# Allegro board visualscope011.brd
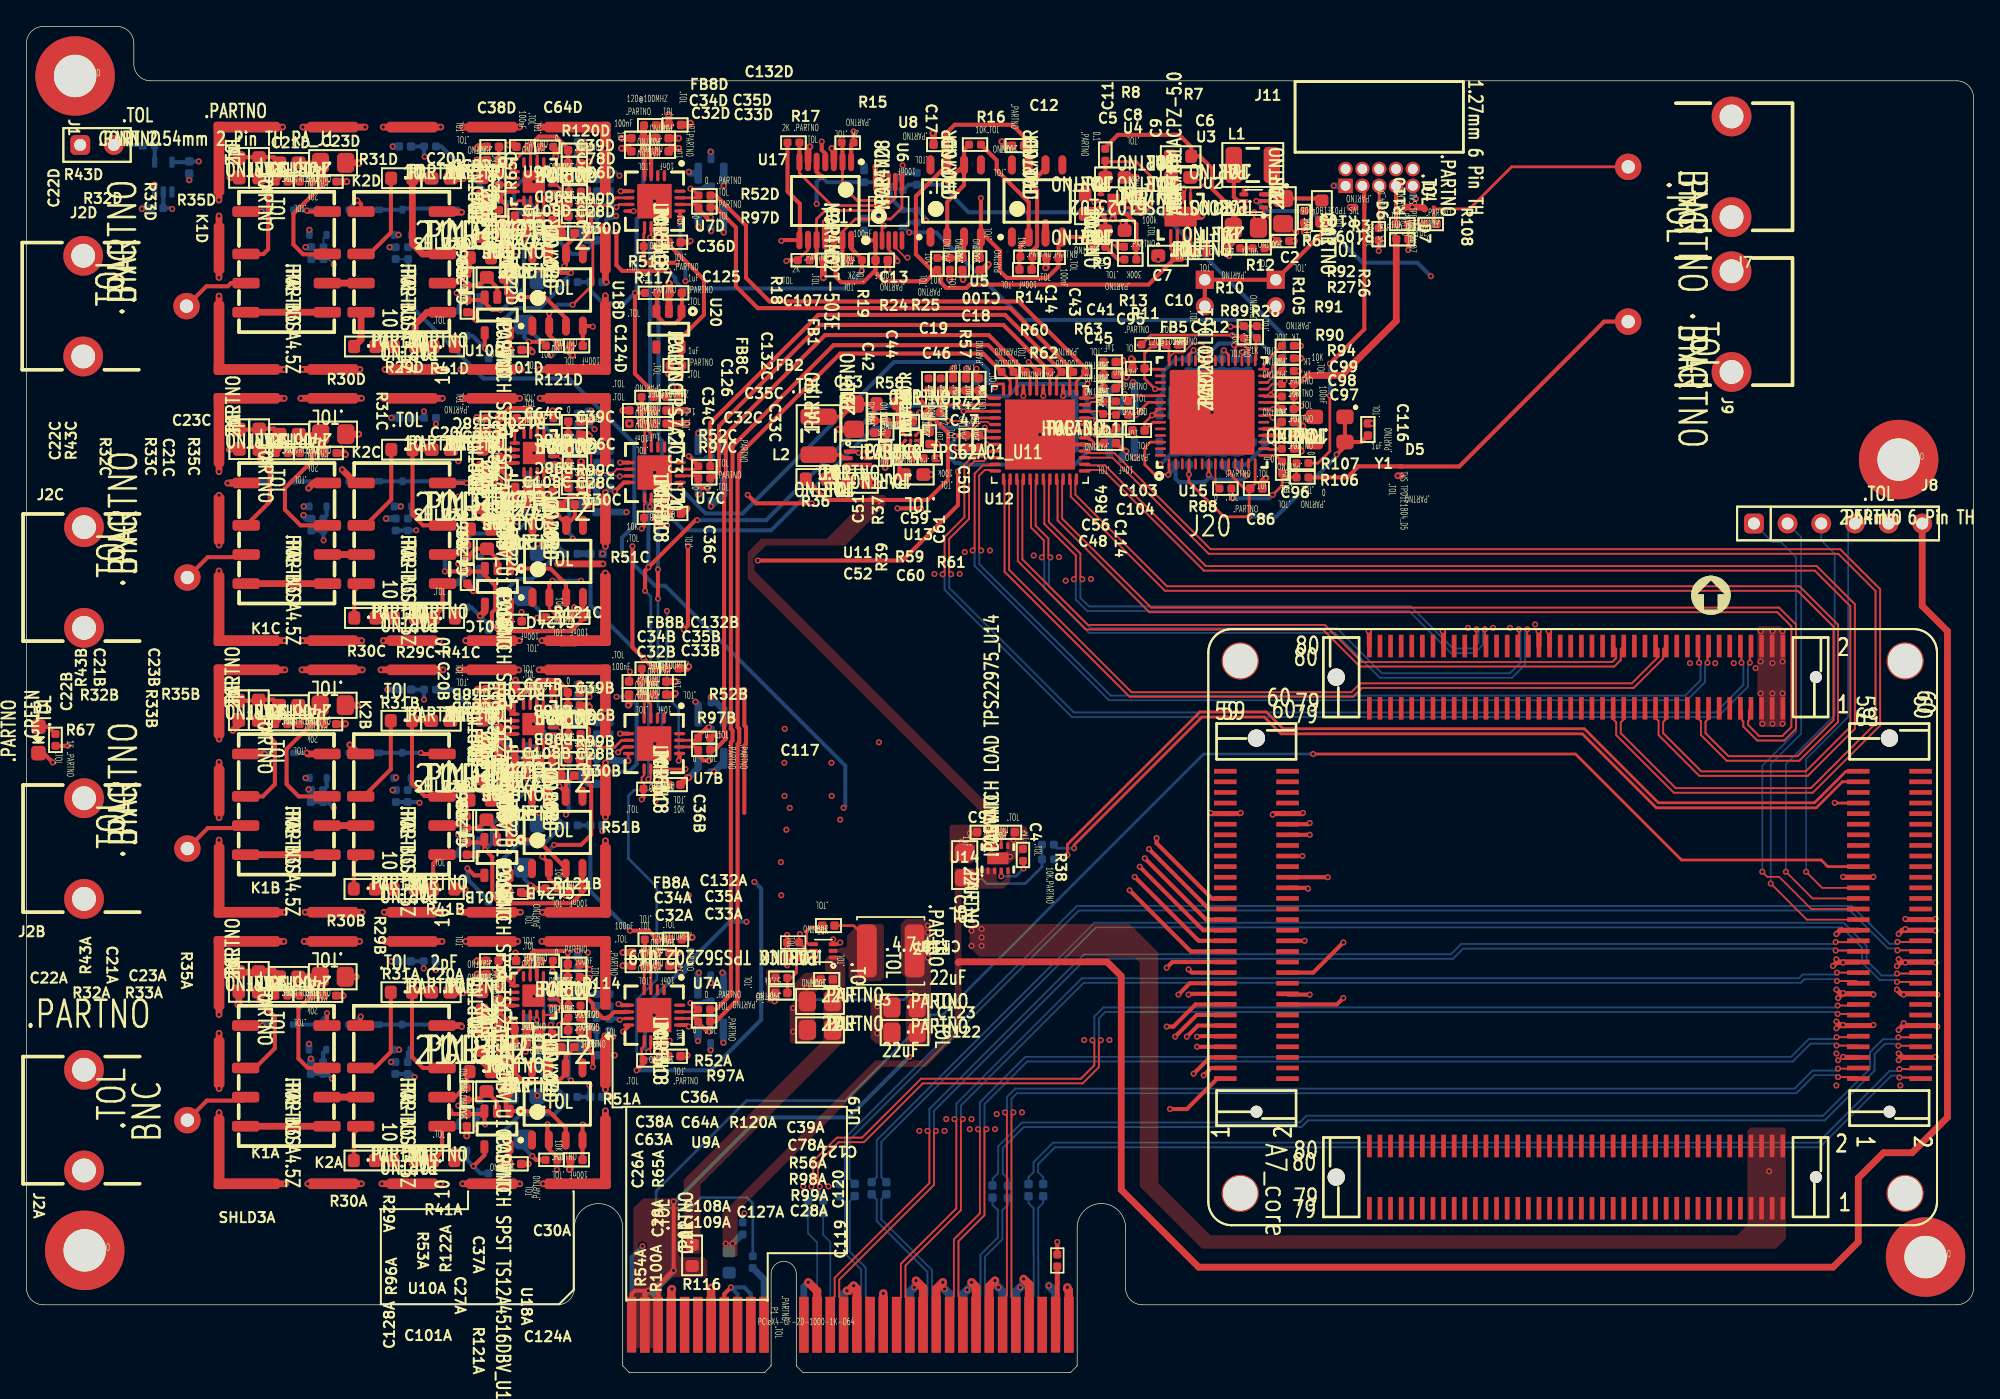
[diagram p0: board, top side]
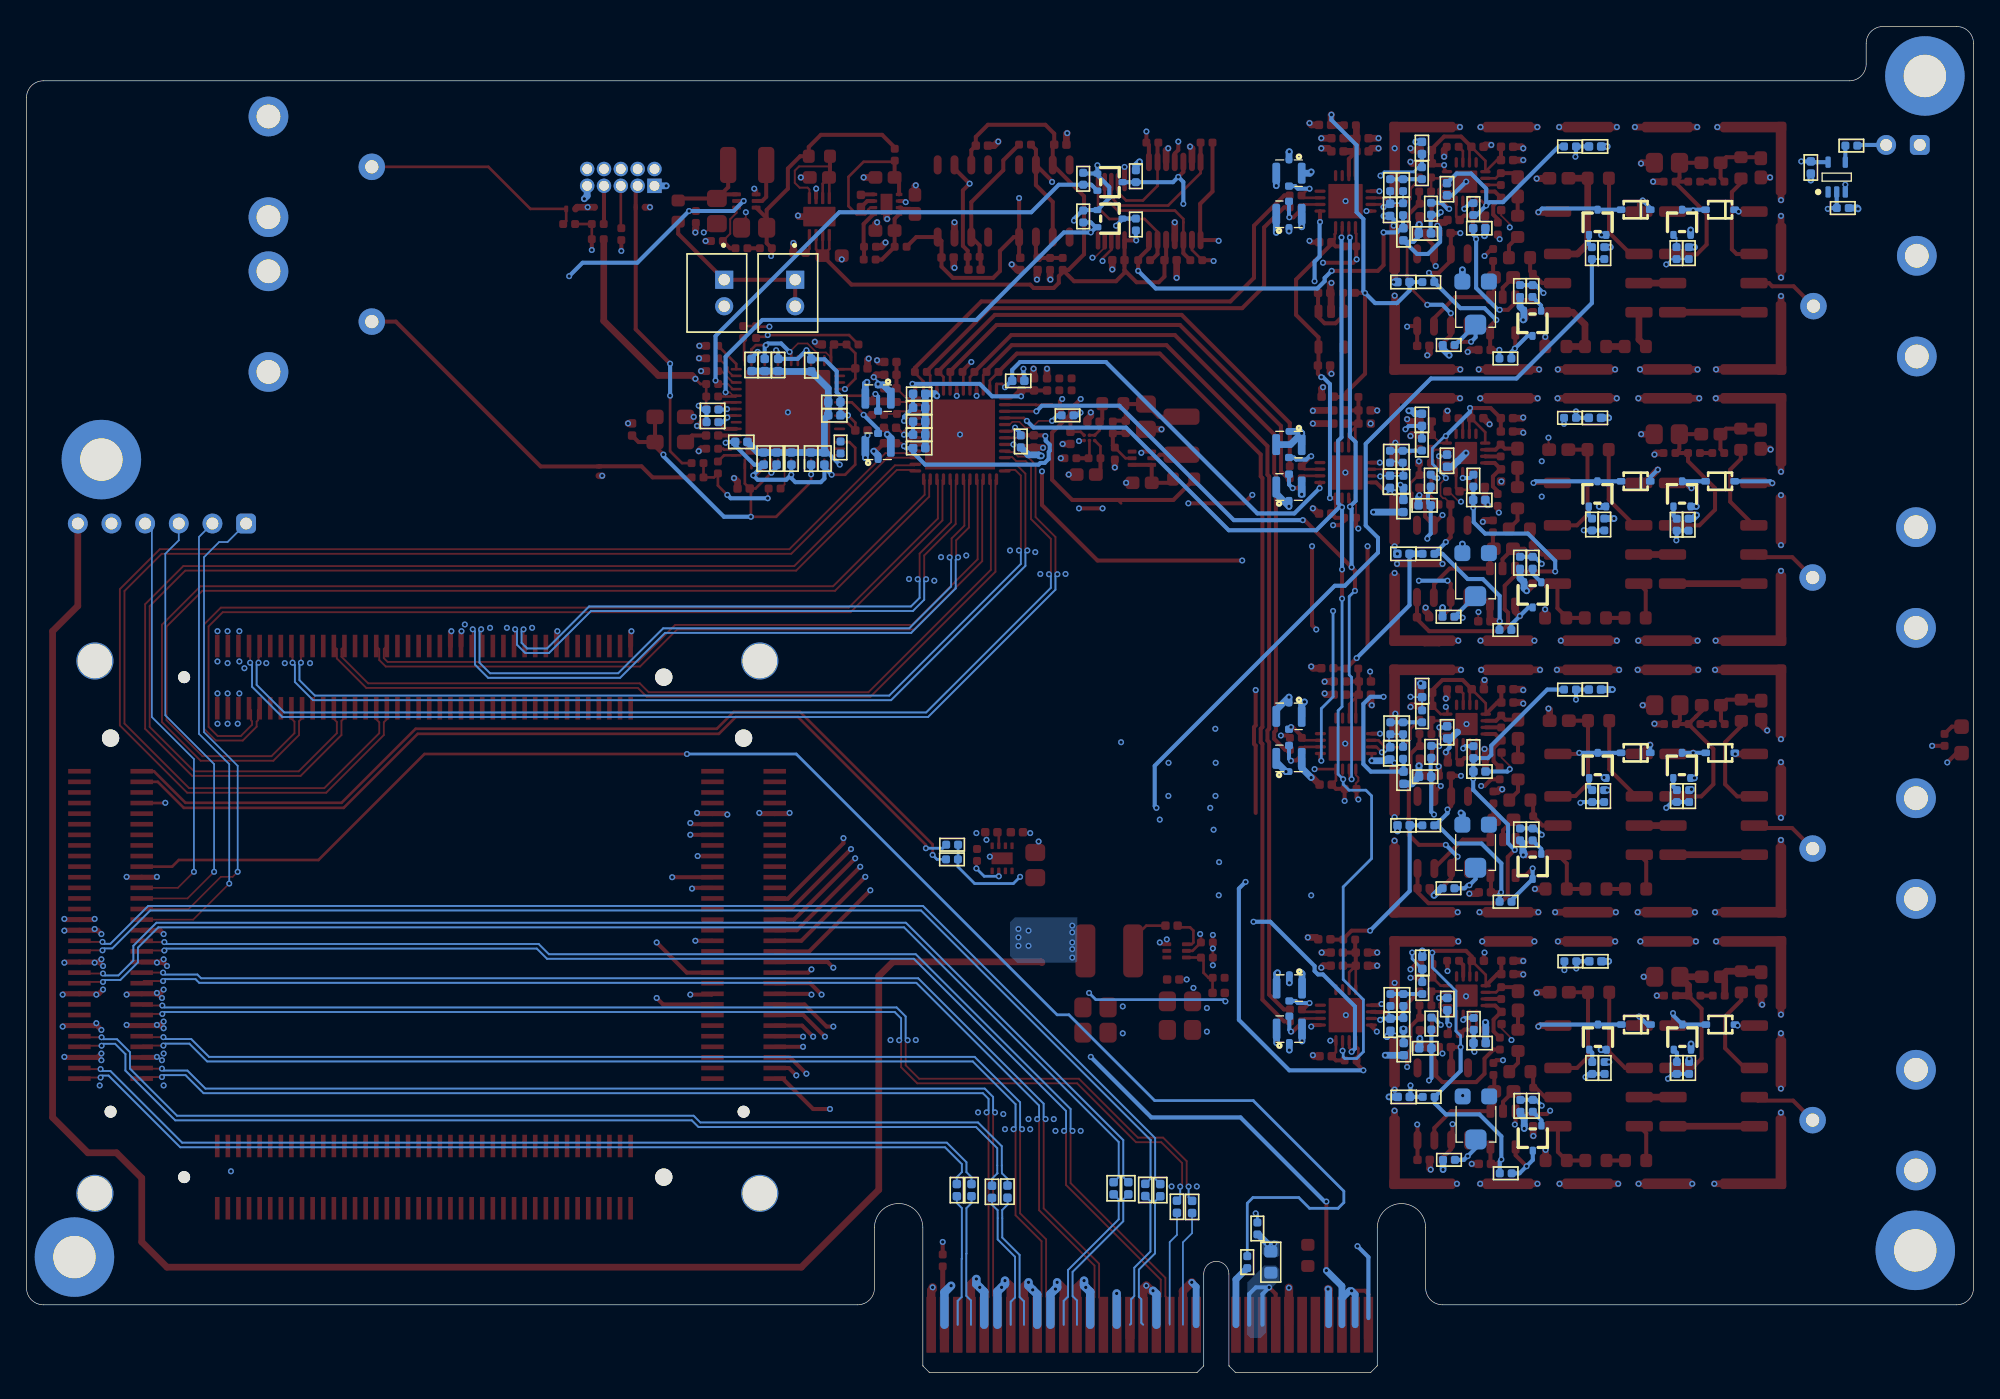
[diagram p1: board, bottom side, seen from below]

Outline 146.95 x 101.6 mm; copper layers: TOP, GND2, PWR3, PWR4, GND5, BOTTOM. Coordinates in mm from the lower left corner of the outline.
Outline path: 0,100.33 arc(0.37,101.23) 1.27,101.6 6.83,101.6 arc(7.73,101.23) 8.1,100.33 8.1,98.77 arc(8.47,97.87) 9.37,97.5 145.68,97.5 arc(146.58,97.13) 146.95,96.23 146.95,6.38 arc(146.58,5.48) 145.68,5.11 84.22,5.11 arc(83.32,5.48) 82.95,6.38 82.95,10.93 arc(81.14,12.75) 79.3,10.96 79.3,0.55 79.29,0.5 79.28,0.48 78.84,0.04 78.79,0.01 78.77,0 58.65,0 58.6,0.01 58.58,0.02 58.14,0.46 58.11,0.51 58.1,0.53 58.1,7.45 arc(57.15,8.4) 56.2,7.45 56.2,0.55 56.19,0.5 56.18,0.48 55.74,0.04 55.69,0.01 55.67,0 45.55,0 45.5,0.01 45.48,0.02 45.04,0.46 45.01,0.51 45,0.53 45,10.93 arc(43.17,12.75) 41.35,10.93 41.35,6.38 arc(40.98,5.48) 40.08,5.11 1.27,5.11 arc(0.37,5.48) 0,6.38 0,100.33

## Design rules (mm)
constraint set DEFAULT: min track width 0.127
net group DIFFPAIR0: nets MGT_CLK1_N MGT_CLK1_P
net group DIFFPAIR5: nets MGT_TX0_N MGT_TX0_P
net group DIFFPAIR6: nets MGT_TX1_N MGT_TX1_P
net group DIFFPAIR7: nets MGT_TX2_N MGT_TX2_P
net group DIFFPAIR8: nets MGT_TX3_N MGT_TX3_P
net group DIFFPAIR9: nets D1A_N D1A_P
net group DIFFPAIR10: nets D1B_N D1B_P
net group DIFFPAIR11: nets D2A_N D2A_P
net group DIFFPAIR12: nets D2B_N D2B_P
net group DIFFPAIR13: nets D3A_N D3A_P
net group DIFFPAIR14: nets D3B_N D3B_P
net group DIFFPAIR15: nets D4A_N D4A_P
net group DIFFPAIR16: nets D4B_N D4B_P
net group DIFFPAIR33: nets PER_N0 PER_P0
net group DIFFPAIR34: nets PER_N1 PER_P1
net group DIFFPAIR35: nets PER_N2 PER_P2
net group DIFFPAIR36: nets PER_N3 PER_P3
net group DIFFPAIR37: nets PET_N0 PET_P0
net group DIFFPAIR38: nets PET_N1 PET_P1
net group DIFFPAIR39: nets PET_N2 PET_P2
net group DIFFPAIR40: nets PET_N3 PET_P3
net group DIFFPAIR41: nets LCLK_N LCLK_P
net group DIFFPAIR42: nets FCLK_N FCLK_P

## Placement (name value [footprint] x y rotation side)
C1  100nF  [GEN_C_0402]  12.28 90.96 270 bottom
C2  22uF  [GEN_C_0805]  94.84 87.67 90 top
C3  22uF  [GEN_C_0805]  92.04 86.41 180 top
C4  1nF  [GEN_C_0402]  74.13 40.78 180 top
C5  10uF  [GEN_C_0603]  82.16 86.19 180 top
C6  10uF  [GEN_C_0603]  87.11 90.21 180 top
C7  10uF  [GEN_C_0603]  86.14 84.3 0 top
C8  10uF  [GEN_C_0603]  82.16 90.21 180 top
C9  1uF  [GEN_C_0402]  83.97 88.43 90 top
C10  10nF  [GEN_C_0402]  88.61 84.53 180 top
C11  10uF  [GEN_C_0603]  79.9 88.18 270 top
C12  100nF  [GEN_C_0402]  74.84 92.61 180 top
C13  100nF  [GEN_C_0402]  64.54 83.96 180 top
C14  100nF  [GEN_C_0402]  77.43 84.16 0 top
C15  100nF  [GEN_C_0402]  75.63 13.77 90 bottom
C17  100nF  [GEN_C_0402]  68.92 92.68 180 top
C18  100nF  [GEN_C_0402]  71.95 83.68 90 top
C19  100nF  [GEN_C_0402]  70.64 83.68 90 top
C20A  2pF  [GEN_C_0603]  31.27 28.7 0 top
C20B  2pF  [GEN_C_0603]  31.27 49.2 0 top
C20C  2pF  [GEN_C_0603]  31.31 69.66 0 top
C20D  2pF  [GEN_C_0603]  31.29 90.14 0 top
C21A  5.1pF  [GEN_C_0603]  19.79 29.87 180 top
C21B  5.1pF  [GEN_C_0603]  19.79 50.37 180 top
C21C  5.1pF  [GEN_C_0603]  19.82 70.83 180 top
C21D  5.1pF  [GEN_C_0603]  19.81 91.31 180 top
C22A  2pF  [GEN_C_0603]  16.03 29.49 90 top
C22B  2pF  [GEN_C_0603]  16.03 49.99 90 top
C22C  2pF  [GEN_C_0603]  16.07 70.45 90 top
C22D  2pF  [GEN_C_0603]  16.05 90.93 90 top
C23A  240pF  [GEN_C_0805]  23.11 29.87 180 top
C23B  240pF  [GEN_C_0805]  23.11 50.37 180 top
C23C  240pF  [GEN_C_0805]  23.15 70.83 180 top
C23D  240pF  [GEN_C_0805]  23.14 91.31 180 top
C26A  22nF  [GEN_C_0603]  34.38 28.05 270 top
C26B  22nF  [GEN_C_0603]  34.38 48.55 270 top
C26C  22nF  [GEN_C_0603]  34.42 69.01 270 top
C26D  22nF  [GEN_C_0603]  34.4 89.5 270 top
C27A  22nF  [GEN_C_0603]  35.45 21.22 0 top
C27B  22nF  [GEN_C_0603]  35.45 41.72 0 top
C27C  22nF  [GEN_C_0603]  35.48 62.18 0 top
C27D  22nF  [GEN_C_0603]  35.47 82.66 0 top
C28A  100nF  [GEN_C_0402]  41.33 25.83 0 top
C28B  100nF  [GEN_C_0402]  41.33 46.33 0 top
C28C  100nF  [GEN_C_0402]  41.36 66.79 0 top
C28D  100nF  [GEN_C_0402]  41.35 87.27 0 top
C29A  100pF  [GEN_C_0402]  35.62 26.76 90 top
C29B  100pF  [GEN_C_0402]  35.62 47.26 90 top
C29C  100pF  [GEN_C_0402]  35.66 67.72 90 top
C29D  100pF  [GEN_C_0402]  35.65 88.2 90 top
C30A  100pF  [GEN_C_0402]  41.81 24.56 0 top
C30B  100pF  [GEN_C_0402]  41.81 45.06 0 top
C30C  100pF  [GEN_C_0402]  41.85 65.52 0 top
C30D  100pF  [GEN_C_0402]  41.83 86 0 top
C31A  100nF  [GEN_C_0402]  44.01 26.25 270 bottom
C31B  100nF  [GEN_C_0402]  44.02 46.74 270 bottom
C31C  100nF  [GEN_C_0402]  44.04 67.23 270 bottom
C31D  100nF  [GEN_C_0402]  44.03 87.76 270 bottom
C32A  1nF  [GEN_C_0402]  46.16 30.71 0 top
C32B  1nF  [GEN_C_0402]  45.94 51.17 0 top
C32C  1nF  [GEN_C_0402]  45.96 71.63 0 top
C32D  1nF  [GEN_C_0402]  46.11 92.18 0 top
C33A  10nF  [GEN_C_0402]  48.06 30.71 180 top
C33B  10nF  [GEN_C_0402]  47.83 51.17 180 top
C33C  10nF  [GEN_C_0402]  47.85 71.63 180 top
C33D  10nF  [GEN_C_0402]  48.01 92.18 180 top
C34A  100nF  [GEN_C_0402]  46.16 31.7 0 top
C34B  100nF  [GEN_C_0402]  45.94 52.16 0 top
C34C  100nF  [GEN_C_0402]  45.96 72.62 0 top
C34D  100nF  [GEN_C_0402]  46.11 93.17 0 top
C35A  1uF  [GEN_C_0402]  48.06 31.7 180 top
C35B  1uF  [GEN_C_0402]  47.83 52.16 180 top
C35C  1uF  [GEN_C_0402]  47.85 72.62 180 top
C35D  1uF  [GEN_C_0402]  48.01 93.17 180 top
C36A  100nF  [GEN_C_0402]  48.89 23.88 180 top
C36B  100nF  [GEN_C_0402]  48.89 44.37 180 top
C36C  100nF  [GEN_C_0402]  48.93 64.83 180 top
C36D  100nF  [GEN_C_0402]  48.92 85.32 180 top
C37A  100nF  [GEN_C_0402]  39.9 24.56 180 top
C37B  100nF  [GEN_C_0402]  39.9 45.06 180 top
C37C  100nF  [GEN_C_0402]  39.94 65.52 180 top
C37D  100nF  [GEN_C_0402]  39.93 86 180 top
C38A  2.2uF  [GEN_C_0402]  35.18 31.08 180 top
C38B  2.2uF  [GEN_C_0402]  35.18 51.57 180 top
C38C  2.2uF  [GEN_C_0402]  35.22 72.03 180 top
C38D  2.2uF  [GEN_C_0402]  35.2 92.52 180 top
C39A  100nF  [GEN_C_0402]  41.31 30.82 0 top
C39B  100nF  [GEN_C_0402]  41.31 51.32 0 top
C39C  100nF  [GEN_C_0402]  41.35 71.78 0 top
C39D  100nF  [GEN_C_0402]  41.34 92.27 0 top
C40  100nF  [GEN_C_0402]  60.12 12.51 90 bottom
C41  1uF  [GEN_C_0402]  81.75 76.28 180 top
C42  1uF  [GEN_C_0402]  69.93 74.59 270 top
C43  10nF  [GEN_C_0402]  81.75 75.31 180 top
C44  10nF  [GEN_C_0402]  70.9 74.59 270 top
C45  1nF  [GEN_C_0402]  81.75 74.29 180 top
C46  1nF  [GEN_C_0402]  71.88 74.59 270 top
C47  10nF  [GEN_C_0402]  71.88 70.28 90 top
C48  10nF  [GEN_C_0402]  81.78 70.14 180 top
C49  1uF  [GEN_C_0402]  79.58 69.77 0 bottom
C50  1uF  [GEN_C_0402]  70.92 70.28 90 top
C51  39pF  [GEN_C_0402]  63.98 71.39 90 top
C52  10uF  [GEN_C_0603]  62.75 67.16 180 top
C53  22uF  [GEN_C_0805]  62.46 72.15 90 top
C54  1uF  [GEN_C_0402]  79.58 71.78 0 bottom
C55  10nF  [GEN_C_0402]  79.58 70.79 0 bottom
C56  1nF  [GEN_C_0402]  81.78 71.31 180 top
C57  10nF  [GEN_C_0402]  79.58 72.82 0 bottom
C58  1uF  [GEN_C_0402]  79.58 73.88 0 bottom
C59  100nF  [GEN_C_0402]  66.42 71.77 180 top
C60  10uF  [GEN_C_0603]  66.97 67.78 180 top
C61  2.2uF  [GEN_C_0402]  68.16 70.55 90 top
C62  100nF  [GEN_C_0402]  76.73 13.77 90 bottom
C63A  100nF  [GEN_C_0402]  35.18 30.07 180 top
C63B  100nF  [GEN_C_0402]  35.18 50.57 180 top
C63C  100nF  [GEN_C_0402]  35.22 71.03 180 top
C63D  100nF  [GEN_C_0402]  35.2 91.52 180 top
C64A  100nF  [GEN_C_0402]  37.41 31.08 0 top
C64B  100nF  [GEN_C_0402]  37.41 51.57 0 top
C64C  100nF  [GEN_C_0402]  37.45 72.03 0 top
C64D  100nF  [GEN_C_0402]  37.44 92.52 0 top
C66  100nF  [GEN_C_0402]  74.08 13.64 90 bottom
C67  100nF  [GEN_C_0402]  72.91 13.65 90 bottom
C70  100nF  [GEN_C_0402]  64.9 13.91 90 bottom
C71  100nF  [GEN_C_0402]  63.79 13.91 90 bottom
C74  100nF  [GEN_C_0402]  62.51 13.78 90 bottom
C75  100nF  [GEN_C_0402]  61.38 13.77 90 bottom
C78A  100nF  [GEN_C_0402]  41.31 29.83 180 top
C78B  100nF  [GEN_C_0402]  41.31 50.33 180 top
C78C  100nF  [GEN_C_0402]  41.35 70.79 180 top
C78D  100nF  [GEN_C_0402]  41.34 91.27 180 top
C79  100nF  [GEN_C_0402]  58.98 12.5 90 bottom
C82  1uF  [GEN_C_0402]  85.98 73.25 0 bottom
C83  1uF  [GEN_C_0402]  87.72 76.02 270 bottom
C84  1uF  [GEN_C_0402]  90.22 76.05 270 bottom
C85  1uF  [GEN_C_0402]  92.23 76.05 270 bottom
C86  1uF  [GEN_C_0402]  92.82 66.73 0 top
C87  1uF  [GEN_C_0402]  90.33 68.99 90 bottom
C88  1uF  [GEN_C_0402]  91.23 76.05 270 bottom
C89  1uF  [GEN_C_0402]  87.73 68.99 90 bottom
C90  1uF  [GEN_C_0402]  86.73 68.99 90 bottom
C91  22uF  [GEN_C_0805]  70.81 38.3 270 top
C92  1uF  [GEN_C_0402]  72.2 40.78 0 top
C93  1uF  [GEN_C_0402]  91.31 68.99 90 bottom
C94  1uF  [GEN_C_0402]  93 70.24 180 bottom
C95  1uF  [GEN_C_0402]  83.93 75.79 180 top
C96  0  [GEN_R_0402]  94.77 68.31 270 top
C97  0  [GEN_R_0402]  95.2 69.73 0 top
C98  100nF  [GEN_C_0402]  95.2 70.73 0 top
C99  100nF  [GEN_C_0402]  95.2 71.75 0 top
C100  100nF  [GEN_C_0402]  75.4 83.25 180 top
C101A  100nF  [GEN_C_0402]  36.88 15.75 180 top
C101B  100nF  [GEN_C_0402]  36.88 36.25 180 top
C101C  100nF  [GEN_C_0402]  36.92 56.71 180 top
C101D  100nF  [GEN_C_0402]  36.91 77.19 180 top
C102A  2.2uF  [GEN_C_0402]  37.27 24.87 0 bottom
C102B  2.2uF  [GEN_C_0402]  37.29 45.36 0 bottom
C102C  2.2uF  [GEN_C_0402]  37.3 65.86 0 bottom
C102D  2.2uF  [GEN_C_0402]  37.3 86.37 0 bottom
C103  0  [GEN_R_0402]  82.68 73.3 0 top
C104  0  [GEN_R_0402]  82.68 72.29 0 top
C107  100nF  [GEN_C_0402]  60.6 83.96 0 top
C108A  100nF  [GEN_C_0402]  37.3 25.88 0 top
C108B  100nF  [GEN_C_0402]  37.3 46.38 0 top
C108C  100nF  [GEN_C_0402]  37.34 66.84 0 top
C108D  100nF  [GEN_C_0402]  37.33 87.32 0 top
C109A  100nF  [GEN_C_0402]  37.3 24.87 180 top
C109B  100nF  [GEN_C_0402]  37.3 45.36 180 top
C109C  100nF  [GEN_C_0402]  37.34 65.82 180 top
C109D  100nF  [GEN_C_0402]  37.33 86.31 180 top
C110A  100nF  [GEN_C_0402]  39.71 27.81 270 bottom
C110B  100nF  [GEN_C_0402]  39.73 48.32 270 bottom
C110C  100nF  [GEN_C_0402]  39.74 68.82 270 bottom
C110D  100nF  [GEN_C_0402]  39.74 89.32 270 bottom
C111A  2.2uF  [GEN_C_0402]  43 20.8 180 bottom
C111B  2.2uF  [GEN_C_0402]  43.01 41.3 180 bottom
C111C  2.2uF  [GEN_C_0402]  43.03 61.8 180 bottom
C111D  2.2uF  [GEN_C_0402]  43.03 82.31 180 bottom
C112  1uF  [GEN_C_0402]  86.46 77.6 0 top
C113  1uF  [GEN_C_0402]  89.22 68.99 90 bottom
C114  1uF  [GEN_C_0402]  83.93 71.11 180 top
C115  1uF  [GEN_C_0402]  85.98 72.25 0 bottom
C116  1uF  [GEN_C_0402]  101.24 71.18 90 top
C117  100nF  [GEN_C_0402]  60.53 33.73 180 top
C118  39pF  [GEN_C_0402]  56.97 28.65 180 top
C119  22uF  [GEN_C_0805]  59.89 25.86 0 top
C120  22uF  [GEN_C_0805]  59.89 28.02 0 top
C121  100nF  [GEN_C_0402]  60.4 29.67 180 top
C122  22uF  [GEN_C_0805]  66.27 25.65 0 top
C123  22uF  [GEN_C_0805]  66.27 27.56 0 top
C124A  100nF  [GEN_C_0402]  41.5 16.05 180 top
C124B  100nF  [GEN_C_0402]  41.5 36.55 180 top
C124C  100nF  [GEN_C_0402]  41.54 57.01 180 top
C124D  100nF  [GEN_C_0402]  41.53 77.5 180 top
C125  1uF  [GEN_C_0402]  49.01 81.5 0 top
C126  1uF  [GEN_C_0402]  49.02 76.01 0 top
C127A  100nF  [GEN_C_0402]  39.22 25.55 180 top
C127B  100nF  [GEN_C_0402]  39.22 46.05 180 top
C127C  100nF  [GEN_C_0402]  39.26 66.51 180 top
C127D  100nF  [GEN_C_0402]  39.24 86.99 180 top
C128A  100nF  [GEN_C_0402]  33.24 19.05 90 top
C128B  100nF  [GEN_C_0402]  33.24 39.55 90 top
C128C  100nF  [GEN_C_0402]  33.27 60.01 90 top
C128D  100nF  [GEN_C_0402]  33.26 80.49 90 top
C129A  100nF  [GEN_C_0402]  41.38 24.47 0 bottom
C129B  100nF  [GEN_C_0402]  41.39 44.97 0 bottom
C129C  100nF  [GEN_C_0402]  41.43 65.46 0 bottom
C129D  100nF  [GEN_C_0402]  41.4 85.98 0 bottom
C130A  100nF  [GEN_C_0402]  41.6 30.92 90 bottom
C130B  100nF  [GEN_C_0402]  41.62 51.43 90 bottom
C130C  100nF  [GEN_C_0402]  41.63 71.91 90 bottom
C130D  100nF  [GEN_C_0402]  41.63 92.43 90 bottom
C131A  100nF  [GEN_C_0402]  43 24.41 270 bottom
C131B  100nF  [GEN_C_0402]  43.01 44.89 270 bottom
C131C  100nF  [GEN_C_0402]  43.03 65.4 270 bottom
C131D  100nF  [GEN_C_0402]  43.03 85.92 270 bottom
C132A  1uF  [GEN_C_0402]  49 32.7 180 top
C132B  1uF  [GEN_C_0402]  48.77 53.16 180 top
C132C  1uF  [GEN_C_0402]  48.74 73.66 180 top
C132D  1uF  [GEN_C_0402]  48.95 94.17 180 top
C133A  2.2uF  [GEN_C_0402]  28.54 31.04 180 bottom
C133B  2.2uF  [GEN_C_0402]  28.57 51.55 180 bottom
C133C  2.2uF  [GEN_C_0402]  28.57 72.06 180 bottom
C133D  2.2uF  [GEN_C_0402]  28.56 92.54 180 bottom
C134  100nF  [GEN_C_0402]  72.1 74.85 0 bottom
D1  GREEN  [LED_0603_LTST-S270K]  0.9 47.75 90 top
D2A  1N4148  [GEN_SOD_323]  19.1 26.26 0 bottom
D2B  1N4148  [GEN_SOD_323]  19.11 46.77 0 bottom
D2C  1N4148  [GEN_SOD_323]  19.13 67.27 0 bottom
D2D  1N4148  [GEN_SOD_323]  19.13 87.77 0 bottom
D3A  1N4148  [GEN_SOD_323]  25.48 26.26 0 bottom
D3B  1N4148  [GEN_SOD_323]  25.5 46.77 0 bottom
D3C  1N4148  [GEN_SOD_323]  25.5 67.27 0 bottom
D3D  1N4148  [GEN_SOD_323]  25.5 87.77 0 bottom
D4  TVS TPD1E1B04_D4  [TI_X1SON_DPY0002A]  105.87 87.83 180 top
D5  TVS TPD1E1B04_D5  [TI_X1SON_DPY0002A]  103.73 68.04 270 top
D6  TVS TPD1E1B04_D6  [TI_X1SON_DPY0002A]  100.62 87.96 180 top
D7  TVS TPD1E1B04_D7  [TI_X1SON_DPY0002A]  103.72 87.96 0 top
FB1  120@100MHZ  [GEN_R_0402]  69 74.59 270 top
FB2  120@100MHZ  [GEN_R_0402]  68.07 74.59 270 top
FB3  120@100MHZ  [GEN_R_0402]  85.51 69.82 90 bottom
FB4A  0  [GEN_R_0402]  40.92 26.34 270 bottom
FB4B  0  [GEN_R_0402]  40.93 46.85 270 bottom
FB4C  0  [GEN_R_0402]  40.97 67.32 270 bottom
FB4D  0  [GEN_R_0402]  40.94 87.85 270 bottom
FB5  120@100MHZ  [GEN_R_0402]  84.61 77.6 0 top
FB6A  0  [GEN_R_0402]  41.6 29.02 270 bottom
FB6B  0  [GEN_R_0402]  41.62 49.53 270 bottom
FB6C  0  [GEN_R_0402]  41.63 70.04 270 bottom
FB6D  0  [GEN_R_0402]  41.63 90.53 270 bottom
FB7A  120@100MHZ  [GEN_R_0402]  43.03 26.3 90 bottom
FB7B  120@100MHZ  [GEN_R_0402]  43.05 46.77 90 bottom
FB7C  120@100MHZ  [GEN_R_0402]  43.03 67.23 90 bottom
FB7D  120@100MHZ  [GEN_R_0402]  43.05 87.81 90 bottom
FB8A  120@100MHZ  [GEN_R_0402]  47.12 32.68 0 top
FB8B  120@100MHZ  [GEN_R_0402]  46.89 53.14 0 top
FB8C  120@100MHZ  [GEN_R_0402]  46.87 73.63 0 top
FB8D  120@100MHZ  [GEN_R_0402]  47.07 94.14 0 top
FB9A  120@100MHZ  [GEN_R_0402]  41.12 20.8 180 bottom
FB9B  120@100MHZ  [GEN_R_0402]  41.15 41.3 180 bottom
FB9C  120@100MHZ  [GEN_R_0402]  41.14 61.8 180 bottom
FB9D  120@100MHZ  [GEN_R_0402]  41.15 82.31 180 bottom
FB10A  120@100MHZ  [GEN_R_0402]  30.43 31.04 0 bottom
FB10B  120@100MHZ  [GEN_R_0402]  30.45 51.55 0 bottom
FB10C  120@100MHZ  [GEN_R_0402]  30.45 72.06 0 bottom
FB10D  120@100MHZ  [GEN_R_0402]  30.45 92.54 0 bottom
J1  CONN 2.54mm 2 Pin TH RA_J1  [GEN_2_54MM_1X2_PIN_TH_RA]  5.32 92.66 0 top
J2A  BNC  [MOL_0731000105]  8.24 19.05 90 top
J2B  BNC  [MOL_0731000105]  8.24 39.55 90 top
J2C  BNC  [MOL_0731000105]  8.24 60.01 90 top
J2D  BNC  [MOL_0731000105]  8.18 80.49 90 top
J3A  UFL  [TE_2334884-1]  51.64 25.92 0 bottom
J3B  UFL  [TE_2334884-1]  51.66 46.35 0 bottom
J3C  UFL  [TE_2334884-1]  51.66 66.84 0 bottom
J3D  UFL  [TE_2334884-1]  51.66 87.43 0 bottom
J4A  UFL  [TE_2334884-1]  51.64 29.02 180 bottom
J4B  UFL  [TE_2334884-1]  51.66 49.53 180 bottom
J4C  UFL  [TE_2334884-1]  51.66 70.04 180 bottom
J4D  UFL  [TE_2334884-1]  51.66 90.53 180 bottom
J5  UFL  [TE_2334884-1]  82.68 69.91 0 bottom
J6  UFL  [TE_2334884-1]  82.68 73.55 180 bottom
J7  BNC  [MOL_0731000105]  124.79 91.01 270 top
J8  2.54mm 6 Pin TH  [GEN_2_54MM_6_PIN_TH_RA]  136.73 64.08 0 top
J9  BNC  [MOL_0731000105]  124.79 79.32 270 top
J11  1.27mm 6 Pin TH  [GEN_1_27MM_2X5_PIN_TH_RA]  102.1 90.21 0 top
J12  B2B-PH-K-S(LF)(SN)  [JST_B2B-PH-K-S_LF_SN]  89.48 81.48 90 bottom
J13  B2B-PH-K-S(LF)(SN)  [JST_B2B-PH-K-S_LF_SN]  94.84 81.48 90 bottom
J20  A7_core  [ARTIX7_CORE]  91.6 13.53 0 top
K1A  FTR-B3SA4.5Z  [FUJ_FTR-B3SA]  19.61 22.39 270 top
K1B  FTR-B3SA4.5Z  [FUJ_FTR-B3SA]  19.61 42.89 270 top
K1C  FTR-B3SA4.5Z  [FUJ_FTR-B3SA]  19.65 63.35 270 top
K1D  FTR-B3SA4.5Z  [FUJ_FTR-B3SA]  19.64 83.83 270 top
K2A  FTR-B3SA4.5Z  [FUJ_FTR-B3SA]  28.3 22.39 270 top
K2B  FTR-B3SA4.5Z  [FUJ_FTR-B3SA]  28.3 42.89 270 top
K2C  FTR-B3SA4.5Z  [FUJ_FTR-B3SA]  28.33 63.35 270 top
K2D  FTR-B3SA4.5Z  [FUJ_FTR-B3SA]  28.32 83.83 270 top
L1  1uH  [GEN_L_1210]  92.56 91.15 180 top
L2  1uH  [GEN_L_1210]  59.78 70.71 90 top
L3  4.7uH  [TY_IND_NRS5030]  65.23 31.83 0 top
MH1  M3  [MH_M3]  141.3 68.91 0 top
MH2  M3  [MH_M3]  4.39 9.22 0 top
MH3  M3  [MH_M3]  143.33 8.71 0 top
MH4  M3  [MH_M3]  3.67 97.87 0 top
P1  PCIeX4-GF-2D-1000-1K-O64  [PCIEX4-GF-2D-1000-1K-O64]  55.17 3.61 0 top
Q1  DMN62D0UW  [GEN_SOT_323]  65.18 89.85 270 bottom
Q2  DMN62D0UW  [GEN_SOT_323]  65.18 87.1 270 bottom
Q3A  DMN62D0UW  [GEN_SOT_323]  21.97 25.31 180 bottom
Q3B  DMN62D0UW  [GEN_SOT_323]  22.01 45.82 180 bottom
Q3C  DMN62D0UW  [GEN_SOT_323]  22 66.32 180 bottom
Q3D  DMN62D0UW  [GEN_SOT_323]  22 86.82 180 bottom
Q4A  DMN62D0UW  [GEN_SOT_323]  28.35 25.31 180 bottom
Q4B  DMN62D0UW  [GEN_SOT_323]  28.36 45.82 180 bottom
Q4C  DMN62D0UW  [GEN_SOT_323]  28.38 66.32 180 bottom
Q4D  DMN62D0UW  [GEN_SOT_323]  28.37 86.82 180 bottom
Q5A  DMN62D0UW  [GEN_SOT_323]  33.26 17.69 0 bottom
Q5B  DMN62D0UW  [GEN_SOT_323]  33.27 38.2 0 bottom
Q5C  DMN62D0UW  [GEN_SOT_323]  33.27 58.7 0 bottom
Q5D  DMN62D0UW  [GEN_SOT_323]  33.29 79.2 0 bottom
R1  0  [GEN_R_0402]  9.22 92.61 0 bottom
R2  10K  [GEN_R_0402]  9.87 87.9 0 bottom
R3  0.01  [GEN_R_0603]  97.76 87.67 270 top
R6  10K  [GEN_R_0402]  96.43 87.22 270 top
R7  0.01  [GEN_R_0603]  87.11 91.81 180 top
R8  0.1  [GEN_R_0402]  81.42 91.92 270 top
R9  0.1  [GEN_R_0402]  80.97 84.98 180 top
R10  680K  [GEN_R_0402]  91.15 84.86 180 top
R11  300K  [GEN_R_0402]  83.31 84.01 180 top
R12  90.9k  [GEN_R_0402]  92.99 84.86 180 top
R13  100k  [GEN_R_0402]  83.29 84.98 0 top
R14  10K  [GEN_R_0402]  75.46 84.21 0 top
R15  2K  [GEN_R_0402]  61.98 92.84 180 top
R16  10K  [GEN_R_0402]  71.59 92.68 0 top
R17  2K  [GEN_R_0402]  57.89 92.84 0 top
R18  2K  [GEN_R_0402]  58.66 83.96 0 top
R19  2K  [GEN_R_0402]  62.6 83.96 180 top
R20  10K  [GEN_R_0402]  67.2 90.11 90 bottom
R21  10K  [GEN_R_0402]  67.2 87.26 90 bottom
R22  10K  [GEN_R_0402]  63.22 90.3 90 bottom
R23  10K  [GEN_R_0402]  63.22 86.65 270 bottom
R24  10K  [GEN_R_0402]  68.74 83.68 270 top
R25  10K  [GEN_R_0402]  69.7 83.68 90 top
R26  1K  [GEN_R_0402]  95.2 75.59 180 top
R27  1K  [GEN_R_0402]  95.2 76.56 180 top
R28  1K  [GEN_R_0402]  92.86 78.54 90 top
R29A  30  [GEN_R_0603]  28.5 16 0 top
R29B  30  [GEN_R_0603]  28.5 36.5 0 top
R29C  30  [GEN_R_0603]  28.54 56.96 0 top
R29D  30  [GEN_R_0603]  28.52 77.44 0 top
R30A  10  [GEN_R_0603]  25.5 16 0 top
R30B  10  [GEN_R_0603]  25.5 36.5 0 top
R30C  10  [GEN_R_0603]  25.54 56.96 0 top
R30D  10  [GEN_R_0603]  25.53 77.44 0 top
R31A  10  [GEN_R_0603]  28.3 28.7 0 top
R31B  10  [GEN_R_0603]  28.3 49.2 0 top
R31C  10  [GEN_R_0603]  28.33 69.66 0 top
R31D  10  [GEN_R_0603]  28.32 90.14 0 top
R32A  300K  [GEN_R_0402]  19.23 28.45 0 top
R32B  300K  [GEN_R_0402]  19.23 48.95 0 top
R32C  300K  [GEN_R_0402]  19.27 69.41 0 top
R32D  300K  [GEN_R_0402]  19.25 89.89 0 top
R33A  680K  [GEN_R_0402]  21.06 28.45 0 top
R33B  680K  [GEN_R_0402]  21.06 48.95 0 top
R33C  680K  [GEN_R_0402]  21.09 69.41 0 top
R33D  680K  [GEN_R_0402]  21.08 89.89 0 top
R35A  20k  [GEN_R_0402]  22.91 28.45 180 top
R35B  20k  [GEN_R_0402]  22.91 48.95 180 top
R35C  20k  [GEN_R_0402]  22.95 69.41 180 top
R35D  20k  [GEN_R_0402]  22.94 89.89 180 top
R36  0.01  [GEN_R_0603]  59.61 67.44 0 top
R37  220K  [GEN_R_0402]  64.96 71.34 90 top
R38  10K  [GEN_R_0402]  75.21 39.06 270 top
R39  100k  [GEN_R_0402]  64.81 69.37 90 top
R41A  10  [GEN_R_0603]  31.5 16 180 top
R41B  10  [GEN_R_0603]  31.5 36.5 180 top